# Altium PCB ControlBoard.PcbDoc (part 1 of 3) (continued)
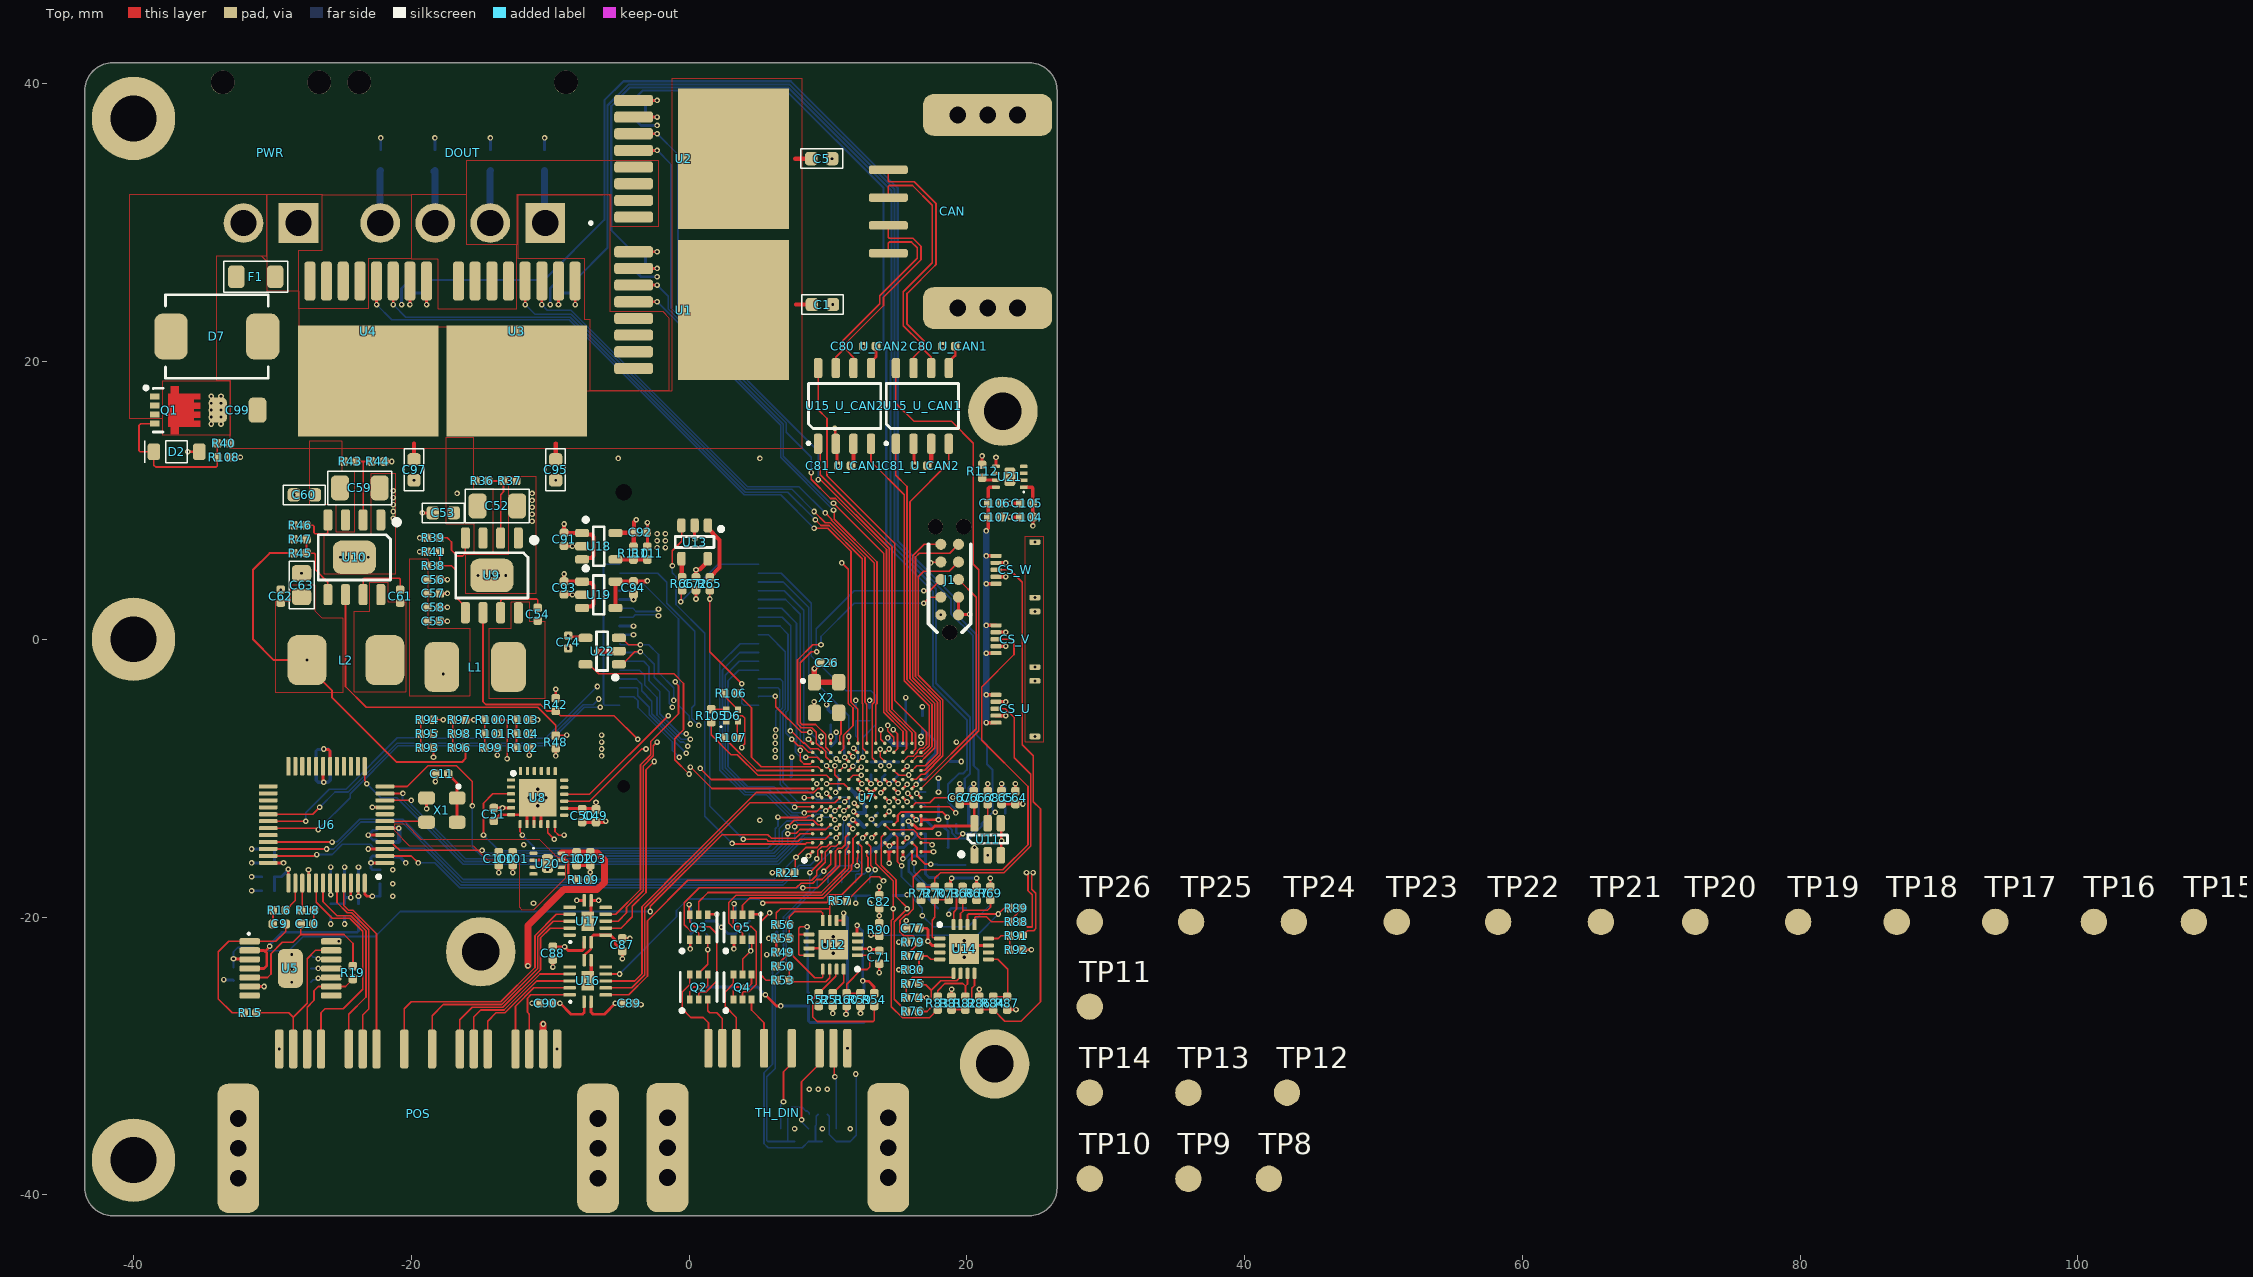
[diagram p0: Top view]
## Part data (continued)
C20: library part CAP0402-10nF-25V, "Multilayer Ceramic Capacitors MLCC - SMD/SMT 25V 0.01uF X7R 0402 10%", Case Code (Imperial)=0402, Case Code (Metric)=1005, Dielectric=X7R, Dielectric Material=Ceramic, Manufacturer=KEMET, Manufacturer Part Number=C0402C103K3RALTU, Max Operating Temperature=125°C, Min Operating Temperature=-55°C, Supplier Part Number=399-C0402C103K3RALTUCT-ND, Tolerance=10%, Voltage Rating=25V, Capacitance=10nF, Case/Package=0402, Category="Ceramic Capacitors", China RoHS=Non-Compliant, ComponentLink1Description=https://datasheet.octopart.com:443/C0402C103K3RALTU-KEMET-datasheet-178087941.pdf?src-supplier=Newark, ComponentLink1URL=https://datasheet.octopart.com:443/C0402C103K3RALTU-KEMET-datasheet-178087941.pdf?src-supplier=Newark, ComponentLink2Description=https://datasheet.octopart.com:443/C0402C103K3RALTU-KEMET-datasheet-83561407.pdf?src-supplier=Newark, ComponentLink2URL=https://datasheet.octopart.com:443/C0402C103K3RALTU-KEMET-datasheet-83561407.pdf?src-supplier=Newark, ComponentLink3Description=https://datasheet.octopart.com:443/C0402C103K3RALTU-KEMET-datasheet-169990498.pdf?src-supplier=Farnell, ComponentLink3URL=https://datasheet.octopart.com:443/C0402C103K3RALTU-KEMET-datasheet-169990498.pdf?src-supplier=Farnell, ComponentLink4Description=https://datasheet.octopart.com:443/C0402C103K3RALTU-KEMET-datasheet-86448206.pdf?src-supplier=Farnell, ComponentLink4URL=https://datasheet.octopart.com:443/C0402C103K3RALTU-KEMET-datasheet-86448206.pdf?src-supplier=Farnell, ComponentLink5Description=https://datasheet.octopart.com:443/C0402C103K3RALTU-KEMET-datasheet-181956020.pdf?src-supplier=Farnell, ComponentLink5URL=https://datasheet.octopart.com:443/C0402C103K3RALTU-KEMET-datasheet-181956020.pdf?src-supplier=Farnell, ComponentLink6Description=https://datasheet.octopart.com:443/C0402C103K3RALTU-Kemet-datasheet-62307648.pdf?src-supplier=element14+APAC, ComponentLink6URL=https://datasheet.octopart.com:443/C0402C103K3RALTU-Kemet-datasheet-62307648.pdf?src-supplier=element14+APAC, ComponentLink7Description=https://datasheet.octopart.com:443/C0402C103K3RALTU-KEMET-datasheet-157246124.pdf?src-supplier=Electro+Sonic, ComponentLink7URL=https://datasheet.octopart.com:443/C0402C103K3RALTU-KEMET-datasheet-157246124.pdf?src-supplier=Electro+Sonic, ComponentLink8Description=https://datasheet.octopart.com:443/C0402C103K3RALTU-KEMET-datasheet-142166266.pdf?src-supplier=Electro+Sonic, ComponentLink8URL=https://datasheet.octopart.com:443/C0402C103K3RALTU-KEMET-datasheet-142166266.pdf?src-supplier=Electro+Sonic, ComponentLink9Description=https://datasheet.octopart.com/C0402C103K3RALTU-KEMET-datasheet-84169754.pdf, ComponentLink9URL=https://datasheet.octopart.com/C0402C103K3RALTU-KEMET-datasheet-84169754.pdf, Contact Plating="Lead, Tin", Depth=500µm, Height=500µm, Lead Free="Contains Lead", Length=1mm, Lifecycle Status=Production, Mounting Technology="Surface Mount", Number of Terminals=2, Pricing="1=0,32, 10=0,189, 50=0,1382, 100=0,1218, 500=0,09636, 1000=0,08824, 2500=0,0797, 5000=0,07454 (USD)", REACH SVHC=No, RoHS=Non-Compliant, Schedule B="8532240020, 8532240020|8532240020|8532240020|8532240020|8532240020", Stock=28368, Supplier=DigiKey, Supplier 1=DigiKey, Supplier Part Number 1=399-C0402C103K3RALTUCT-ND, Termination=SMD/SMT, Thickness=558.8µm, Voltage Rating (DC)=25V, Width=500µm
C24 C25 C55 C62 C65 C66 C68: library part CAP0402-0.1uF-50V, "Multilayer Ceramic Capacitors MLCC - SMD/SMT 50V 1000pF C0G 0402 2%", Case Code (Imperial)=0402, Case Code (Metric)=1005, Dielectric=1511DielectricType, Dielectric Material=Ceramic, Manufacturer="Walsin Technologies", Manufacturer Part Number=0402B104K500CT, Max Operating Temperature=125°C, Min Operating Temperature=-55°C, Supplier Part Number=1292-1176-1-ND, Tolerance=10%, Voltage Rating=50V, Capacitance=100nF, Case/Package=0402, Category="Ceramic Capacitors", China RoHS=Compliant, ComponentLink1Description=http://datasheet.octopart.com/0402B104K500CT-Walsin-Technologies-datasheet-26371553.pdf?src-supplier=Arrow+Electronics, ComponentLink1URL=http://datasheet.octopart.com/0402B104K500CT-Walsin-Technologies-datasheet-26371553.pdf?src-supplier=Arrow+Electronics, ComponentLink2Description=http://datasheet.octopart.com/0402B104K500CT-Walsin-Technologies-datasheet-26371553.pdf?src-supplier=Verical, ComponentLink2URL=http://datasheet.octopart.com/0402B104K500CT-Walsin-Technologies-datasheet-26371553.pdf?src-supplier=Verical, ComponentLink3Description=http://www.passivecomponent.com/indexsea/0402B104K500CT-IE.pdf?src-supplier=Digikey, ComponentLink3URL=http://www.passivecomponent.com/indexsea/0402B104K500CT-IE.pdf?src-supplier=Digikey, ComponentLink4Description=http://datasheet.octopart.com/0402B104K500CT-Walsin-Technologies-datasheet-26371553.pdf?src-supplier=Rs, ComponentLink4URL=http://datasheet.octopart.com/0402B104K500CT-Walsin-Technologies-datasheet-26371553.pdf?src-supplier=Rs, ComponentLink5Description=https://datasheet.octopart.com/0402B104K500CT-Walsin-Technologies-datasheet-128065749.pdf?src-supplier=Future+Electronics, ComponentLink5URL=https://datasheet.octopart.com/0402B104K500CT-Walsin-Technologies-datasheet-128065749.pdf?src-supplier=Future+Electronics, ComponentLink6Description=http://datasheet.octopart.com/0402B104K500CT-Walsin-Technologies-datasheet-26371553.pdf?src-supplier=Farnell, ComponentLink6URL=http://datasheet.octopart.com/0402B104K500CT-Walsin-Technologies-datasheet-26371553.pdf?src-supplier=Farnell, ComponentLink7Description=http://datasheet.octopart.com/0402B104K500CT-Walsin-Technologies-datasheet-26371553.pdf?src-supplier=Newark, ComponentLink7URL=http://datasheet.octopart.com/0402B104K500CT-Walsin-Technologies-datasheet-26371553.pdf?src-supplier=Newark, ComponentLink8Description=http://datasheet.octopart.com/0402B104K500CT-Walsin-Technologies-datasheet-26371553.pdf?src-supplier=Mouser, ComponentLink8URL=http://datasheet.octopart.com/0402B104K500CT-Walsin-Technologies-datasheet-26371553.pdf?src-supplier=Mouser, ComponentLink9Description=http://datasheet.octopart.com/0402B104K500CT-Walsin-Technologies-datasheet-26371553.pdf?src-supplier=Digikey, ComponentLink9URL=http://datasheet.octopart.com/0402B104K500CT-Walsin-Technologies-datasheet-26371553.pdf?src-supplier=Digikey, ComponentLink10Description=https://datasheet.octopart.com/0402B104K500CT-Walsin-Technologies-datasheet-62066062.pdf?src-supplier=TME, ComponentLink10URL=https://datasheet.octopart.com/0402B104K500CT-Walsin-Technologies-datasheet-62066062.pdf?src-supplier=TME, ComponentLink11Description=http://datasheet.octopart.com/0402B104K500CT-Walsin-Technologies-datasheet-26371553.pdf?src-supplier=Freelance+Electronics, ComponentLink11URL=http://datasheet.octopart.com/0402B104K500CT-Walsin-Technologies-datasheet-26371553.pdf?src-supplier=Freelance+Electronics, ComponentLink12Description=http://datasheet.octopart.com/0402B104K500CT-Walsin-Technologies-datasheet-26371553.pdf?src-supplier=Component+Sense, ComponentLink12URL=http://datasheet.octopart.com/0402B104K500CT-Walsin-Technologies-datasheet-26371553.pdf?src-supplier=Component+Sense, ComponentLink13Description=http://datasheet.octopart.com/0402B104K500CT-Walsin-Technologies-datasheet-26371553.pdf?src-supplier=NAC+Semi, ComponentLink13URL=http://datasheet.octopart.com/0402B104K500CT-Walsin-Technologies-datasheet-26371553.pdf?src-supplier=NAC+Semi, ComponentLink14Description=https://datasheet.octopart.com/0402B104K500CT-Walsin-Technologies-datasheet-136037192.pdf?src-supplier=TECHDesign, ComponentLink14URL=https://datasheet.octopart.com/0402B104K500CT-Walsin-Technologies-datasheet-136037192.pdf?src-supplier=TECHDesign, ComponentLink15Description=https://datasheet.octopart.com:443/C0402C102G5GACTU-KEMET-datasheet-178132257.pdf?src-supplier=IHS, ComponentLink15URL=https://datasheet.octopart.com:443/C0402C102G5GACTU-KEMET-datasheet-178132257.pdf?src-supplier=IHS, ComponentLink16Description=https://datasheet.octopart.com:443/C0402C102G5GAC7867-KEMET-datasheet-10540709.pdf?src-supplier=IHS, ComponentLink16URL=https://datasheet.octopart.com:443/C0402C102G5GAC7867-KEMET-datasheet-10540709.pdf?src-supplier=IHS, ComponentLink17Description=https://datasheet.octopart.com:443/C0402C102G5GACTU-KEMET-datasheet-137357759.pdf?src-supplier=Upverter, ComponentLink17URL=https://datasheet.octopart.com:443/C0402C102G5GACTU-KEMET-datasheet-137357759.pdf?src-supplier=Upverter, ComponentLink18Description=https://datasheet.octopart.com:443/C0402C102G5GACTU-KEMET-datasheet-149521574.pdf?src-supplier=Farnell, ComponentLink18URL=https://datasheet.octopart.com:443/C0402C102G5GACTU-KEMET-datasheet-149521574.pdf?src-supplier=Farnell, ComponentLink19Description=https://datasheet.octopart.com:443/C0402C102G5GACTU-KEMET-datasheet-102158736.pdf?src-supplier=Newark, ComponentLink19URL=https://datasheet.octopart.com:443/C0402C102G5GACTU-KEMET-datasheet-102158736.pdf?src-supplier=Newark, ComponentLink20Description=https://datasheet.octopart.com:443/C0402C102G5GACTU-KEMET-datasheet-68331921.pdf?src-supplier=element14+APAC, ComponentLink20URL=https://datasheet.octopart.com:443/C0402C102G5GACTU-KEMET-datasheet-68331921.pdf?src-supplier=element14+APAC, ComponentLink21Description=https://datasheet.octopart.com:443/C0402C102G5GACTU-KEMET-datasheet-178087919.pdf?src-supplier=element14+APAC, ComponentLink21URL=https://datasheet.octopart.com:443/C0402C102G5GACTU-KEMET-datasheet-178087919.pdf?src-supplier=element14+APAC, ComponentLink22Description=https://datasheet.octopart.com:443/C0402C102G5GACTU-KEMET-datasheet-157246123.pdf?src-supplier=Electro+Sonic, ComponentLink22URL=https://datasheet.octopart.com:443/C0402C102G5GACTU-KEMET-datasheet-157246123.pdf?src-supplier=Electro+Sonic, ComponentLink23Description=https://datasheet.octopart.com/C0402C102G5GACTU-KEMET-datasheet-84169754.pdf, ComponentLink23URL=https://datasheet.octopart.com/C0402C102G5GACTU-KEMET-datasheet-84169754.pdf, ComponentLink24Description=https://datasheet.octopart.com:443/C0402C102G5GACTU-Kemet-datasheet-11974058.pdf?src-supplier=Arrow+Electronics, ComponentLink24URL=https://datasheet.octopart.com:443/C0402C102G5GACTU-Kemet-datasheet-11974058.pdf?src-supplier=Arrow+Electronics, Depth=500µm, Height=550um, Lead Free=5697LeadFree, Length=1mm, Lifecycle Status=Production, Material=4241ConductorMaterial, Mounting Technology="Surface Mount", Number of Terminals=2, Packaging="Cut Tape", Pins=2, Pricing="1=0,08, 10=0,005, 100=0,0032, 1000=0,0024 (USD)", REACH SVHC=Yes, RoHS=Yes, RoHS Compliant=Yes, Series=-, Stock=109567, Supplier=Digikey, Supplier 1=Digikey, Supplier Part Number 1=1292-1176-1-ND, Termination=SMD/SMT, Thickness=558.8µm, Voltage Rating (DC)=50V, Width=500µm
C28 C38 C43 C44 C47: library part CAP0603-10uF-10V, "CAP CER 10UF 10V X7R 0603", Case/Package=345Case, Manufacturer=Murata, Manufacturer Part Number=GRM188Z71A106KA73D, Max Operating Temperature=125°C, Min Operating Temperature=-55°C, Supplier Part Number=490-GRM188Z71A106KA73DDKR-ND, Tolerance=10%, Voltage Rating=10V, Capacitance=10uF, Category="Ceramic Capacitors", ComponentLink1Description=https://datasheet.octopart.com/GRM188Z71A106KA73D-Murata-datasheet-165579666.pdf?src-supplier=TME, ComponentLink1URL=https://datasheet.octopart.com/GRM188Z71A106KA73D-Murata-datasheet-165579666.pdf?src-supplier=TME, Height=1mm, Length=1.6mm, Material=4241ConductorMaterial, Pricing="1=0,28, 10=0,166, 100=0,1065, 1000=0,07585 (USD)", RoHS=Yes, RoHS Compliant=Yes, Supplier=Digikey, Supplier 1=Digikey, Supplier Part Number 1=490-GRM188Z71A106KA73DDKR-ND, Thickness=800um, Width=800um
C49 C100 C103 C104 C107: library part CAP0402-1uF-25V, "Multilayer Ceramic Capacitors MLCC - SMD/SMT 0402 1uF 25volts *Derate Voltage/Temp", Case Code (Imperial)=0402, Case Code (Metric)=1005, Dielectric=X6S, Dielectric Material=Ceramic, Manufacturer=Murata, Manufacturer Lifecycle Status="IN PRODUCTION", Manufacturer Part Number=GRM155C81E105KE11J, Max Operating Temperature=105°C, Min Operating Temperature=-55°C, Supplier Part Number=490-GRM155C81E105KE11JCT-ND, Tolerance=10%, Voltage Rating=25V, Capacitance=1µF, Case/Package=0402, Category="Ceramic Capacitors", ComponentLink1Description=https://datasheet.octopart.com:443/GRM155C81E105KE11J-Murata-datasheet-165579666.pdf?src-supplier=TME, ComponentLink1URL=https://datasheet.octopart.com:443/GRM155C81E105KE11J-Murata-datasheet-165579666.pdf?src-supplier=TME, ComponentLink2Description=https://datasheet.octopart.com:443/GRM155C81E105KE11J-Murata-datasheet-141266224.pdf?src-supplier=Ciiva, ComponentLink2URL=https://datasheet.octopart.com:443/GRM155C81E105KE11J-Murata-datasheet-141266224.pdf?src-supplier=Ciiva, ComponentLink3Description=https://datasheet.octopart.com:443/GRM155C81E105KE11J-Murata-datasheet-140688500.pdf?src-supplier=Ciiva, ComponentLink3URL=https://datasheet.octopart.com:443/GRM155C81E105KE11J-Murata-datasheet-140688500.pdf?src-supplier=Ciiva, ComponentLink4Description=https://datasheet.octopart.com:443/GRM155C81E105KE11J-Murata-datasheet-138740527.pdf?src-supplier=Ciiva, ComponentLink4URL=https://datasheet.octopart.com:443/GRM155C81E105KE11J-Murata-datasheet-138740527.pdf?src-supplier=Ciiva, ComponentLink5Description=https://datasheet.octopart.com:443/GRM155C81E105KE11J-Murata-datasheet-149522958.pdf?src-supplier=Farnell, ComponentLink5URL=https://datasheet.octopart.com:443/GRM155C81E105KE11J-Murata-datasheet-149522958.pdf?src-supplier=Farnell, ComponentLink6Description=https://datasheet.octopart.com/GRM155C81E105KE11J-Murata-datasheet-12515295.pdf, ComponentLink6URL=https://datasheet.octopart.com/GRM155C81E105KE11J-Murata-datasheet-12515295.pdf, ComponentLink7Description=https://datasheet.octopart.com/GRM155C81E105KE11J-Murata-datasheet-12510076.pdf, ComponentLink7URL=https://datasheet.octopart.com/GRM155C81E105KE11J-Murata-datasheet-12510076.pdf, ComponentLink8Description=https://datasheet.octopart.com/GRM155C81E105KE11J-Murata-datasheet-11978611.pdf, ComponentLink8URL=https://datasheet.octopart.com/GRM155C81E105KE11J-Murata-datasheet-11978611.pdf, ComponentLink9Description=https://datasheet.octopart.com/GRM155C81E105KE11J-Murata-datasheet-10025737.pdf, ComponentLink9URL=https://datasheet.octopart.com/GRM155C81E105KE11J-Murata-datasheet-10025737.pdf, ComponentLink10Description=https://datasheet.octopart.com/GRM155C81E105KE11J-Murata-datasheet-8819587.pdf, ComponentLink10URL=https://datasheet.octopart.com/GRM155C81E105KE11J-Murata-datasheet-8819587.pdf, ComponentLink11Description=https://datasheet.octopart.com/GRM155C81E105KE11J-Murata-datasheet-38882740.pdf, ComponentLink11URL=https://datasheet.octopart.com/GRM155C81E105KE11J-Murata-datasheet-38882740.pdf, ComponentLink12Description=http://sigma.octopart.com:80/reach_statement/Murata-company-16.pdf?src-supplier=Compliance+Statements, ComponentLink12URL=http://sigma.octopart.com:80/reach_statement/Murata-company-16.pdf?src-supplier=Compliance+Statements, Height=500µm, Length=1mm, Lifecycle Status=Production, Material=Ceramic, Mounting Technology="Surface Mount", Number of Terminals=2, Packaging="Tape & Reel (TR)", Pricing="1=0,1, 10=0,043, 50=0,0294, 100=0,0253, 500=0,01832, 1000=0,01619, 2500=0,01394, 5000=0,01258 (USD)", REACH SVHC=Yes, RoHS=Compliant, Stock=78531, Supplier=DigiKey, Supplier 1=DigiKey, Supplier Part Number 1=490-GRM155C81E105KE11JCT-ND, Termination=SMD/SMT, Thickness=500µm, Voltage Rating (DC)=25V, Weight=6.010099mg, Width=500µm
C52 C59: library part CAP1206-4.7uF-100V, "Ceramic Capacitor, Multilayer, Ceramic, 100V, 10% +Tol, 10% -Tol, X7S, +-22% TC, 4.7uF, Surface Mount, 1206 inch", Manufacturer="Samsung Electro-Mechanics", Manufacturer Part Number=CL31Y475KCK6PNE, Supplier Part Number=1276-CL31Y475KCK6PNECT-ND, Capacitance=4.7uF, Category="Ceramic Capacitors", Pricing="1=0,85, 10=0,537, 50=0,4144, 100=0,3767, 500=0,31288, 1000=0,29316 (USD)", Stock=182, Supplier=DigiKey, Supplier 1=DigiKey, Supplier Part Number 1=1276-CL31Y475KCK6PNECT-ND
C56 C57 C58: library part CAP0402-22uF-10V, "Ceramic Capacitor, Multilayer, Ceramic, 10V, 20% +Tol, 20% -Tol, X6S, 22uF, Surface Mount, 0603", Case/Package=0603, Dielectric=X6S, Dielectric Material=Ceramic, Manufacturer=Murata, Manufacturer Part Number=GRM188C81A226ME01D, Max Operating Temperature=105°C, Min Operating Temperature=-55°C, Supplier Part Number=490-GRM188C81A226ME01DTR-ND, Tolerance=20%, Voltage Rating=10V, Capacitance=22µF, Category="Ceramic Capacitors", ComponentLink1Description=https://datasheet.octopart.com:443/GRM188C81A226ME01D-Murata-datasheet-165579666.pdf?src-supplier=TME, ComponentLink1URL=https://datasheet.octopart.com:443/GRM188C81A226ME01D-Murata-datasheet-165579666.pdf?src-supplier=TME, ComponentLink2Description=https://datasheet.octopart.com/GRM188C81A226ME01D-Murata-datasheet-12515295.pdf, ComponentLink2URL=https://datasheet.octopart.com/GRM188C81A226ME01D-Murata-datasheet-12515295.pdf, ComponentLink3Description=https://datasheet.octopart.com/GRM188C81A226ME01D-Murata-datasheet-12510076.pdf, ComponentLink3URL=https://datasheet.octopart.com/GRM188C81A226ME01D-Murata-datasheet-12510076.pdf, ComponentLink4Description=https://datasheet.octopart.com/GRM188C81A226ME01D-Murata-datasheet-11978611.pdf, ComponentLink4URL=https://datasheet.octopart.com/GRM188C81A226ME01D-Murata-datasheet-11978611.pdf, ComponentLink5Description=https://datasheet.octopart.com/GRM188C81A226ME01D-Murata-datasheet-10025737.pdf, ComponentLink5URL=https://datasheet.octopart.com/GRM188C81A226ME01D-Murata-datasheet-10025737.pdf, ComponentLink6Description=https://datasheet.octopart.com/GRM188C81A226ME01D-Murata-datasheet-8819587.pdf, ComponentLink6URL=https://datasheet.octopart.com/GRM188C81A226ME01D-Murata-datasheet-8819587.pdf, ComponentLink7Description=http://sigma.octopart.com:80/reach_statement/Murata-company-16.pdf?src-supplier=Compliance+Statements, ComponentLink7URL=http://sigma.octopart.com:80/reach_statement/Murata-company-16.pdf?src-supplier=Compliance+Statements, Height=800µm, Length=1.6mm, Lifecycle Status=Production, Material=Ceramic, Mounting Technology="Surface Mount", Number of Terminals=2, Pricing="4000=0,07397 (USD)", REACH SVHC=Yes, RoHS=Compliant, Supplier=DigiKey, Supplier 1=DigiKey, Supplier Part Number 1=490-GRM188C81A226ME01DTR-ND, Thickness=800µm, Voltage Rating (DC)=10V, Width=800µm
C63: library part CAP0805-33uF-10V, "CAP CER 22UF 50V X5R SMD", Case Code (Imperial)=0805, Case Code (Metric)=2012, Dielectric=X5R, Dielectric Material=Ceramic, Manufacturer=TDK, Manufacturer Part Number=C2012X5R1A336M125AC, Max Operating Temperature=85°C, Min Operating Temperature=-55°C, Package Quantity=1, Supplier Part Number=445-8238-1-ND, Supplier Part Number 1=445-1655-1-ND, Tolerance=20%, Voltage Rating=10V, Capacitance=33uF, Case/Package=0805, Category="Ceramic Capacitors", ComponentLink1Description=https://datasheet.ciiva.com/24216/c2012x5r1a336m125ac-264804-24216541.pdf?src-supplier=Mouser, ComponentLink1URL=https://datasheet.ciiva.com/24216/c2012x5r1a336m125ac-264804-24216541.pdf?src-supplier=Mouser, ComponentLink2Description=https://datasheet.ciiva.com/6259/tdkmlcccaprange-6259263.pdf?src-supplier=Digikey, ComponentLink2URL=https://datasheet.ciiva.com/6259/tdkmlcccaprange-6259263.pdf?src-supplier=Digikey, Depth=1.25mm, Height=1.25mm, Lead Free="Lead Free", Length=2mm, Material=4241ConductorMaterial, Mounting Technology="Surface Mount", Packaging="Tape and Reel", Pricing="1=0,89, 10=0,565, 100=0,3979, 1000=0,31083 (USD)", Reach SVHC Compliant=No, RoHS=Yes, RoHS Compliant=Yes, Series=C, Stock=98304, Supplier=Digikey, Supplier 1=Digikey, Termination=SMD/SMT, Thickness=0.057inch, Voltage Rating (DC)=10V, Weight=0.000194oz, Width=0.049inch
C73 C75 C78 C82 C83 C84 C85 C86: library part CAP0402-6.8nF-25V, "Multilayer Ceramic Capacitors MLCC - SMD/SMT 25V 6800pF X7R 0402 10% AEC-Q200", Case/Package=0402, Dielectric=X7R, Dielectric Material=Ceramic, Manufacturer=KEMET, Manufacturer Part Number=C0402C682K3RACAUTO, Max Operating Temperature=125°C, Min Operating Temperature=-55°C, Supplier Part Number=399-C0402C682K3RACAUTOCT-ND, Voltage Rating=25V, Capacitance=6.8nF, Category="Ceramic Capacitors", China RoHS=Compliant, ComponentLink1Description=https://datasheet.octopart.com:443/C0402C682K3RACAUTO-KEMET-datasheet-178087915.pdf?src-supplier=IHS, ComponentLink1URL=https://datasheet.octopart.com:443/C0402C682K3RACAUTO-KEMET-datasheet-178087915.pdf?src-supplier=IHS, ComponentLink2Description=https://datasheet.octopart.com:443/C0402C682K3RACAUTO-KEMET-datasheet-137357759.pdf?src-supplier=Upverter, ComponentLink2URL=https://datasheet.octopart.com:443/C0402C682K3RACAUTO-KEMET-datasheet-137357759.pdf?src-supplier=Upverter, ComponentLink3Description=https://datasheet.octopart.com:443/C0402C682K3RACAUTO-KEMET-datasheet-153706760.pdf?src-supplier=Electro+Sonic, ComponentLink3URL=https://datasheet.octopart.com:443/C0402C682K3RACAUTO-KEMET-datasheet-153706760.pdf?src-supplier=Electro+Sonic, ComponentLink4Description=https://datasheet.octopart.com:443/C0402C682K3RACAUTO-KEMET-datasheet-138896278.pdf?src-supplier=Farnell, ComponentLink4URL=https://datasheet.octopart.com:443/C0402C682K3RACAUTO-KEMET-datasheet-138896278.pdf?src-supplier=Farnell, ComponentLink5Description=https://datasheet.octopart.com/C0402C682K3RACAUTO-KEMET-datasheet-84169754.pdf, ComponentLink5URL=https://datasheet.octopart.com/C0402C682K3RACAUTO-KEMET-datasheet-84169754.pdf, Height=500µm, Length=1mm, Lifecycle Status=Production, Material=Ceramic, Mounting Technology="Surface Mount", Number of Terminals=2, Pins=2, Pricing="1=0,26, 10=0,122, 50=0,075, 100=0,0595, 500=0,0515 (USD)", REACH SVHC=Yes, RoHS=Compliant, Stock=9600, Supplier=DigiKey, Supplier 1=DigiKey, Supplier Part Number 1=399-C0402C682K3RACAUTOCT-ND, Voltage Rating (DC)=25V, Width=500µm
C99: library part CAP2220-22uF-100V, "100V 22uF X7S 卤20% 2220 Multilayer Ceramic Capacitors MLCC - SMD/SMT ROHS", Case/Package=2220, Dielectric Material=Ceramic, Manufacturer=TDK, Manufacturer Lifecycle Status=PRODUCTION, Manufacturer Part Number=C5750X7S2A226M280KB, Max Operating Temperature=125°C, Min Operating Temperature=-55°C, Supplier Part Number=445-C5750X7S2A226M280KBCT-ND, Voltage Rating=100V, Capacitance=22µF, Category="Ceramic Capacitors", China RoHS=Compliant, ComponentLink1Description=https://datasheet.octopart.com:443/C5750X7S2A226M280KB-TDK-datasheet-159617022.pdf?src-supplier=IHS, ComponentLink1URL=https://datasheet.octopart.com:443/C5750X7S2A226M280KB-TDK-datasheet-159617022.pdf?src-supplier=IHS, ComponentLink2Description=https://datasheet.octopart.com:443/C5750X7S2A226M280KB-TDK-datasheet-151546522.pdf?src-supplier=TDK, ComponentLink2URL=https://datasheet.octopart.com:443/C5750X7S2A226M280KB-TDK-datasheet-151546522.pdf?src-supplier=TDK, ComponentLink3Description=https://datasheet.octopart.com:443/C5750X7S2A226M280KB-TDK-datasheet-43914167.pdf?src-supplier=Future+Electronics, ComponentLink3URL=https://datasheet.octopart.com:443/C5750X7S2A226M280KB-TDK-datasheet-43914167.pdf?src-supplier=Future+Electronics, ComponentLink4Description=https://datasheet.octopart.com:443/C5750X7S2A226M280KB-TDK-datasheet-182135025.pdf?src-supplier=TME, ComponentLink4URL=https://datasheet.octopart.com:443/C5750X7S2A226M280KB-TDK-datasheet-182135025.pdf?src-supplier=TME, Height=2.8mm, Length=5.7mm, Lifecycle Status=Production, Material=Ceramic, Max Length=6.1mm, Max Width=5.4mm, Min Length=5.3mm, Min Width=4.6mm, Mounting Technology="Surface Mount", Number of Terminals=2, Pricing="1=5,31, 10=3,608, 50=3,2764, 100=3,0974 (USD)", REACH SVHC=Yes, RoHS=Compliant, Schedule B="8532240020, 8532240020|8532240020|8532240020|8532240020|8532240020", Stock=105682, Supplier=DigiKey, Supplier 1=DigiKey, Supplier Part Number 1=445-C5750X7S2A226M280KBCT-ND, Voltage Rating (DC)=100V, Width=5mm
CAN: "Automotive Connectors Right Angle Receptacle, DIP Solder Tabs, 4 Position", Manufacturer="HIROSE ELECTRIC", Max Operating Temperature=125°C, Min Operating Temperature=-40°C, Supplier Part Number=26-ZE05-4P-2HCT-ND, Category="Card Edge Connectors", ComponentLink1Description=https://datasheet.octopart.com:443/ZE05-4P-2H-HIROSE-ELECTRIC-datasheet-180012703.pdf?src-supplier=IHS, ComponentLink1URL=https://datasheet.octopart.com:443/ZE05-4P-2H-HIROSE-ELECTRIC-datasheet-180012703.pdf?src-supplier=IHS, ComponentLink2Description=https://datasheet.octopart.com:443/ZE05-4P-2H-HIROSE-ELECTRIC-datasheet-189101943.pdf?src-supplier=Master+Electronics, ComponentLink2URL=https://datasheet.octopart.com:443/ZE05-4P-2H-HIROSE-ELECTRIC-datasheet-189101943.pdf?src-supplier=Master+Electronics, ComponentLink3Description=https://datasheet.octopart.com:443/ZE05-4P-2H-HIROSE-ELECTRIC-datasheet-188748195.pdf?src-supplier=Master+Electronics, ComponentLink3URL=https://datasheet.octopart.com:443/ZE05-4P-2H-HIROSE-ELECTRIC-datasheet-188748195.pdf?src-supplier=Master+Electronics, ComponentLink4Description=https://datasheet.octopart.com:443/ZE05-4P-2H-HIROSE-ELECTRIC-datasheet-181928072.pdf?src-supplier=Electro+Sonic, ComponentLink4URL=https://datasheet.octopart.com:443/ZE05-4P-2H-HIROSE-ELECTRIC-datasheet-181928072.pdf?src-supplier=Electro+Sonic, ComponentLink5Description=https://datasheet.octopart.com:443/ZE05-4P-2H-HIROSE-ELECTRIC-datasheet-176457996.pdf?src-supplier=Future+Electronics, ComponentLink5URL=https://datasheet.octopart.com:443/ZE05-4P-2H-HIROSE-ELECTRIC-datasheet-176457996.pdf?src-supplier=Future+Electronics, ComponentLink6Description=https://datasheet.octopart.com:443/ZE05-4P-2H-Hirose-datasheet-168215454.pdf?src-supplier=TME, ComponentLink6URL=https://datasheet.octopart.com:443/ZE05-4P-2H-Hirose-datasheet-168215454.pdf?src-supplier=TME, ComponentLink7Description=https://datasheet.octopart.com:443/ZE05-4P-2H-Hirose-datasheet-149155786.pdf?src-supplier=Sager+Electronics, ComponentLink7URL=https://datasheet.octopart.com:443/ZE05-4P-2H-Hirose-datasheet-149155786.pdf?src-supplier=Sager+Electronics, ComponentLink8Description=https://datasheet.octopart.com:443/ZE05-4P-2H-Hirose-datasheet-137351164.pdf?src-supplier=Sager+Electronics, ComponentLink8URL=https://datasheet.octopart.com:443/ZE05-4P-2H-Hirose-datasheet-137351164.pdf?src-supplier=Sager+Electronics, ComponentLink9Description=https://sigma.octopart.com:443/145369994/technical_drawing/Hirose-ZE05-4P-2H.pdf?src-supplier=Hirose+SCT, ComponentLink9URL=https://sigma.octopart.com:443/145369994/technical_drawing/Hirose-ZE05-4P-2H.pdf?src-supplier=Hirose+SCT, ComponentLink10Description=https://datasheet.octopart.com:443/ZE05-4P-2H-Hirose-datasheet-141146741.pdf?src-supplier=Hirose+SCT, ComponentLink10URL=https://datasheet.octopart.com:443/ZE05-4P-2H-Hirose-datasheet-141146741.pdf?src-supplier=Hirose+SCT, Connector Type=Receptacle, Contact Plating=Tin, Height=8.34mm, Length=16.32mm, Lifecycle Status=Production, Manufacturer Part Number=ZE05-4P-2H, Orientation="Right Angle", Pins=4, Pricing="1=1,69, 10=1,434, 25=1,3444, 50=1,28, 100=1,2188 (USD)", REACH SVHC=Yes, RoHS=Compliant, Stock=351, Supplier=DigiKey, Supplier 1=DigiKey, Supplier Part Number 1=26-ZE05-4P-2HCT-ND, Width=14.8mm
CS_U CS_V CS_W: library part FH34SRJ-5S-0.5SH(99), "RoHS Compliant Tape & Reel (TR) (Flat Flex Type) (Connector/Contact Type) Connector", Manufacturer="HIROSE ELECTRIC", Supplier Part Number=FH34SRJ-5S-0.5SH(99)-ND, Category="Card Edge Connectors", ComponentLink1Description=https://datasheet.octopart.com:443/FH34SRJ-5S-0.5SH%2899%29-HIROSE-ELECTRIC-datasheet-151619939.pdf?src-supplier=IHS, ComponentLink1URL=https://datasheet.octopart.com:443/FH34SRJ-5S-0.5SH%2899%29-HIROSE-ELECTRIC-datasheet-151619939.pdf?src-supplier=IHS, ComponentLink2Description=https://datasheet.octopart.com:443/FH34SRJ-5S-0.5SH%2899%29-Hirose-datasheet-145364452.pdf?src-supplier=Hirose+SCT, ComponentLink2URL=https://datasheet.octopart.com:443/FH34SRJ-5S-0.5SH%2899%29-Hirose-datasheet-145364452.pdf?src-supplier=Hirose+SCT, ComponentLink3Description=https://sigma.octopart.com:443/145364455/technical_drawing/Hirose-FH34SRJ-5S-0.5SH%2899%29.pdf?src-supplier=Hirose+SCT, ComponentLink3URL=https://sigma.octopart.com:443/145364455/technical_drawing/Hirose-FH34SRJ-5S-0.5SH%2899%29.pdf?src-supplier=Hirose+SCT, ComponentLink4Description=https://datasheet.octopart.com:443/FH34SRJ-5S-0.5SH%2899%29-Hirose-datasheet-137333288.pdf?src-supplier=Sager+Electronics, ComponentLink4URL=https://datasheet.octopart.com:443/FH34SRJ-5S-0.5SH%2899%29-Hirose-datasheet-137333288.pdf?src-supplier=Sager+Electronics, Lifecycle Status=Production, Manufacturer Part Number=FH34SRJ-5S-0.5SH(99), Pricing="500=1,20602 (USD)", REACH SVHC=Yes, RoHS=Compliant, Supplier=DigiKey, Supplier 1=DigiKey, Supplier Part Number 1=FH34SRJ-5S-0.5SH(99)-ND
D1: "DIODE ZENER ARRAY 3.3V SOT-363", Case/Package=SOT-363, Forward Voltage=900mV, Manufacturer="Diodes Inc.", Max Operating Temperature=150°C, Max Power Dissipation=200mW, Max Reverse Leakage Current=5µA, Min Operating Temperature=-65°C, Reference Voltage=3.3V, Reverse Standoff Voltage=1V, Supplier Part Number=31-BZX84C3V3TS-7-FCT-ND, Test Current=5mA, Tolerance=6%, Voltage Tolerance=6.06%, Category="Zener Diodes", China RoHS=Compliant, ComponentLink1Description=https://datasheet.octopart.com:443/BZX84C3V3TS-7-F-Diodes-Inc.-datasheet-160640132.pdf?src-supplier=IHS, ComponentLink1URL=https://datasheet.octopart.com:443/BZX84C3V3TS-7-F-Diodes-Inc.-datasheet-160640132.pdf?src-supplier=IHS, ComponentLink2Description=https://datasheet.octopart.com:443/BZX84C3V3TS-7-F-Diodes-Inc.-datasheet-11551317.pdf?src-supplier=Diodes+Inc+SCT, ComponentLink2URL=https://datasheet.octopart.com:443/BZX84C3V3TS-7-F-Diodes-Inc.-datasheet-11551317.pdf?src-supplier=Diodes+Inc+SCT, ComponentLink3Description=https://sigma.octopart.com:443/138865995/technical_drawing/Diodes-Inc.-BZX84C3V3TS-7-F.pdf?src-supplier=Diodes+Inc+SCT, ComponentLink3URL=https://sigma.octopart.com:443/138865995/technical_drawing/Diodes-Inc.-BZX84C3V3TS-7-F.pdf?src-supplier=Diodes+Inc+SCT, ComponentLink4Description=http://sigma.octopart.com:80/15616913/materials_sheet/Diodes-Inc.-BZX84C3V3TS-7-F.pdf?src-supplier=Compliance+Statements, ComponentLink4URL=http://sigma.octopart.com:80/15616913/materials_sheet/Diodes-Inc.-BZX84C3V3TS-7-F.pdf?src-supplier=Compliance+Statements, Contact Plating=Tin, ESD Protection=No, Height=1mm, Impedance=95Ω, Length=2.2mm, Lifecycle Status=Production, Manufacturer Part Number=BZX84C3V3TS-7-F, Mounting Technology="Surface Mount", Number of Elements=3, Number of Terminals=6, Packaging="Tape & Reel", Peak Reverse Current=5µA, Pins=6, Polarity=Unidirectional, Power Dissipation=200mW, Power Rating=200mW, Pricing="1=0,31, 10=0,213, 100=0,099 (USD)", REACH SVHC=Yes, RoHS=Compliant, Stock=2827, Supplier=DigiKey, Supplier 1=DigiKey, Supplier Part Number 1=31-BZX84C3V3TS-7-FCT-ND, Weight=6.010099mg, Width=2.2mm, Zener Current=5mA, Zener Voltage=3.3V
D2: "DIODE ZENER 15V 410MW SOD123", Manufacturer=Vishay, Supplier Part Number=BZT52C15-E3-08GICT-ND, Category="Zener Diodes", ComponentLink1Description=http://www.mouser.com/ds/2/427/bzt52-106265.pdf?src-supplier=Mouser, ComponentLink1URL=http://www.mouser.com/ds/2/427/bzt52-106265.pdf?src-supplier=Mouser, ComponentLink2Description=http://www.farnell.com/datasheets/2046168.pdf?src-supplier=Farnell, ComponentLink2URL=http://www.farnell.com/datasheets/2046168.pdf?src-supplier=Farnell, ComponentLink3Description=http://www.vishay.com/docs/85760/bzt52.pdf?src-supplier=Digikey, ComponentLink3URL=http://www.vishay.com/docs/85760/bzt52.pdf?src-supplier=Digikey, ComponentLink4Description=https://www.vishay.com/docs/85760/bzt52.pdf?src-supplier=Digikey, ComponentLink4URL=https://www.vishay.com/docs/85760/bzt52.pdf?src-supplier=Digikey, ComponentLink5Description=http://www.vishay.com/docs/85760/bzt52.pdf?src-supplier=Avnet, ComponentLink5URL=http://www.vishay.com/docs/85760/bzt52.pdf?src-supplier=Avnet, ComponentLink6Description=http://www.farnell.com/datasheets/2046168.pdf?src-supplier=Element14, ComponentLink6URL=http://www.farnell.com/datasheets/2046168.pdf?src-supplier=Element14, ComponentLink7Description=https://datasheet.octopart.com/BZT52C15-E3-08-Vishay-datasheet-32036674.pdf?src-supplier=Newark, ComponentLink7URL=https://datasheet.octopart.com/BZT52C15-E3-08-Vishay-datasheet-32036674.pdf?src-supplier=Newark, ComponentLink8Description=http://www.farnell.com/datasheets/1852933.pdf?src-supplier=Newark, ComponentLink8URL=http://www.farnell.com/datasheets/1852933.pdf?src-supplier=Newark, Manufacturer Part Number=BZT52C15-E3-08, Pricing="1=0,15, 10=0,104, 100=0,047, 500=0,0465, 1000=0,046 (USD)", RoHS=Yes, Stock=18922, Supplier=Digikey, Supplier 1=Digikey, Supplier Part Number 1=BZT52C15-E3-08GICT-ND